# KiCad board panel.kicad_pcb (continued)
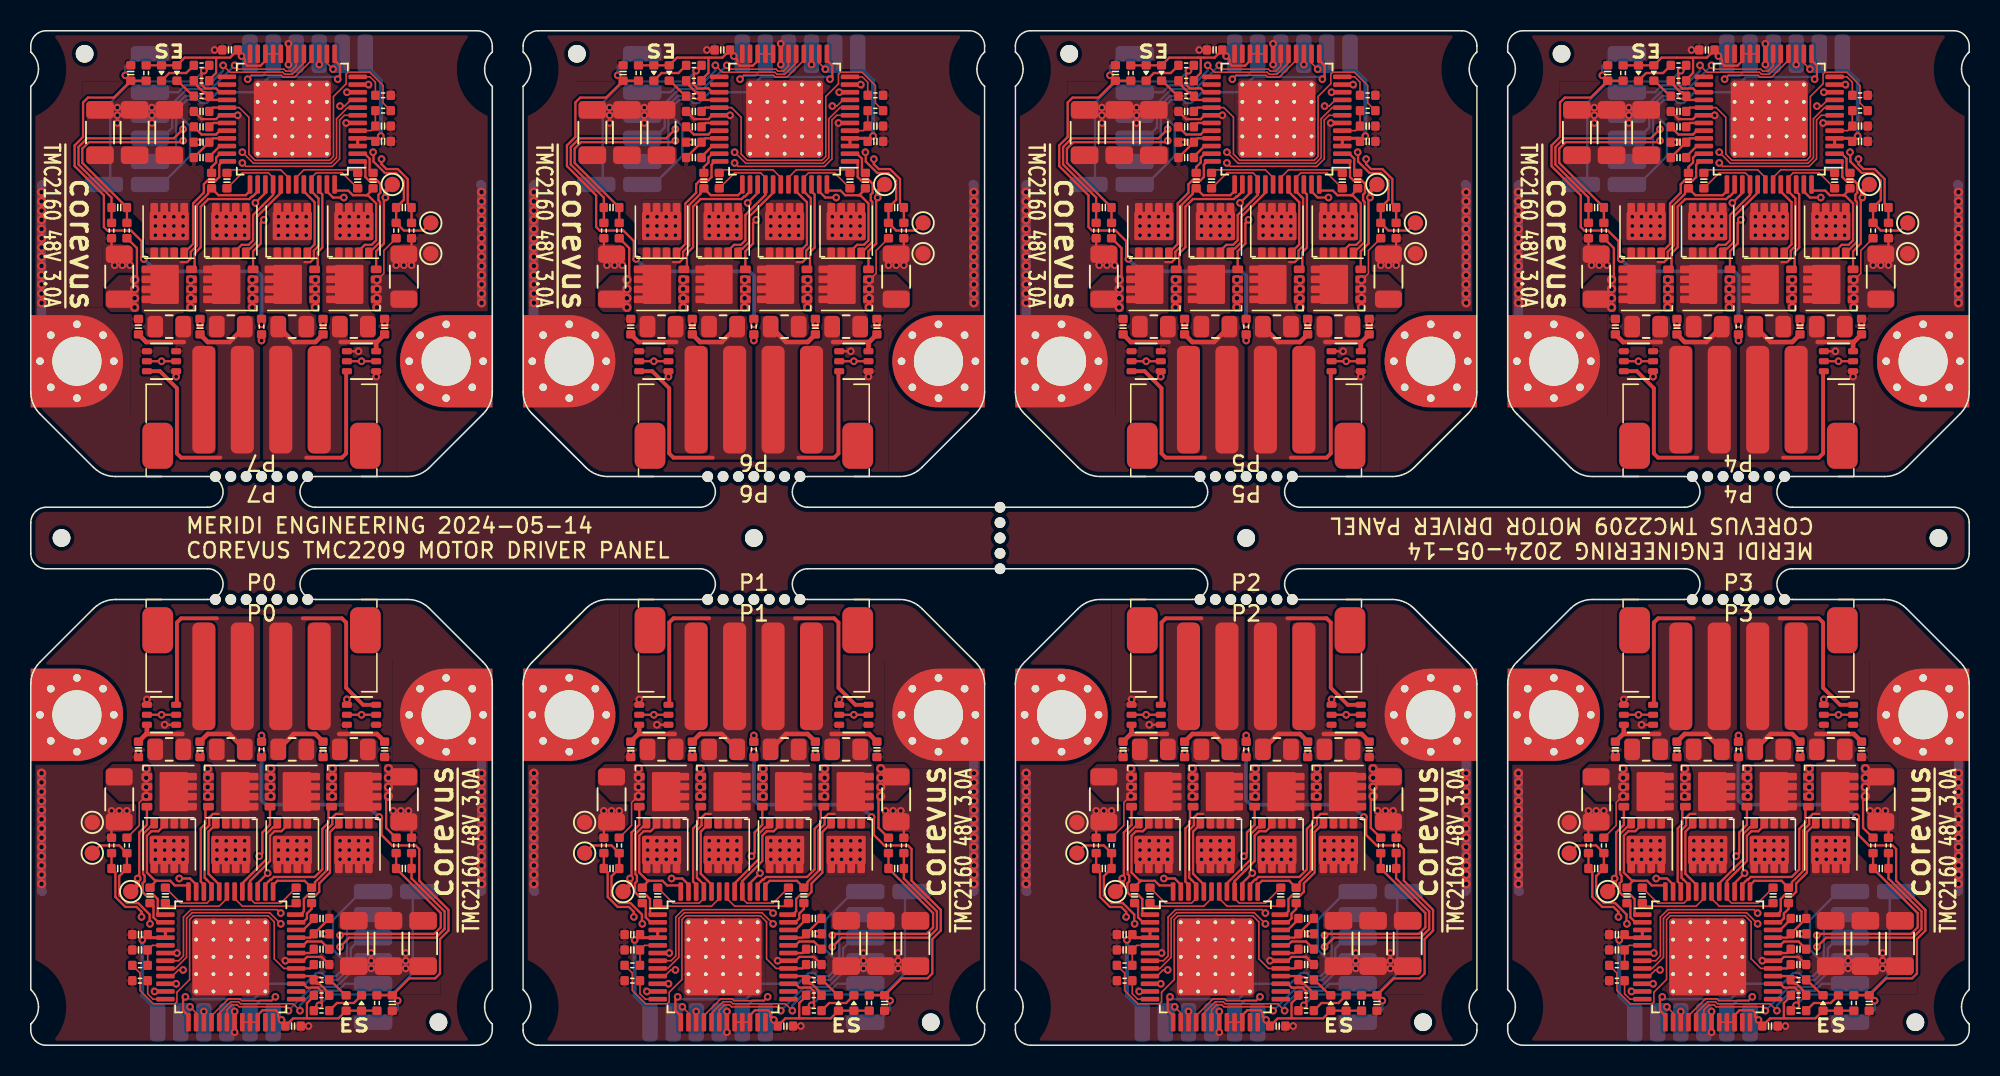
[diagram p0: board, top side]
## Routing (per net, layer and track width the routed paths; a pad name or vN(x,y) marks a point on that pad's centre or on a via; arc(x,y) is an arc through that point) (continued)
Board_7-/SRAH: length 27.9
  Top w0.1: v1(13.75,58.1) 14.47,57.38 19.51,57.38 19.88,57.74 19.88,60.27 20.6,61 U1.8
  Top w0.15: R11#4.2 C21#7.2 3.35,57.4 3.35,58.33 3.77,58.75 9.8,58.75 v1(9.9,58.85)
  In2.Cu w0.15: v1(9.9,58.85) 9.9,58.57 10.37,58.1 v1(13.75,58.1)
Board_7-/SRAL: length 29.5
  Top w0.1: v1(13.75,57.4) 13.97,57.17 19.59,57.17 20.08,57.66 20.08,60.19 20.38,60.5 U1.7
  Top w0.15: v1(9.9,59.6) 9.3,59 3.66,59 3.1,58.44 3.1,57.3 5.25,55.15 C21#7.1 R12.2
  In2.Cu w0.15: v1(13.75,57.4) 13.3,57.85 10.26,57.85 9.45,58.66 9.45,59.15 v1(9.9,59.6)
Board_7-/SRBH: length 14.4
  Top w0.1: v1(20.1,61.1) 20.4,61.1 20.8,61.5 U1.9
  Top w0.15: TP4#6.1 25.5,53 24.25,53 R8#7.2 C20#5.2 24.25,55 24.25,56.25 23.75,56.75 23.02,56.75 22.27,57.49 22.28,58.08 v1(22.25,58.1)
  In2.Cu w0.1: v1(20.1,61.1) 20.87,61.1 20.95,61.02 20.95,59.72 22.25,58.42 v1(22.25,58.1)
Board_7-/SRBL: length 11.4
  Top w0.1: v1(20.55,62) U1.10
  Top w0.15: R9#3.2 C20#5.1 24.5,54.75 24.5,56.35 23.85,57 23.12,57 22.8,57.32 v1(22.8,57.65)
  In2.Cu w0.1: v1(20.55,62) 20.55,61.7 21.15,61.1 21.15,59.8 22.8,58.15 v1(22.8,57.65)
Board_7-/Step: length 12.1
  Top w0.1: U1.17 17.75,63.92 17.01,63.17 16.49,63.18 16.37,63.3 12.95,63.3 v1(12.5,63.75)
  Bottom w0.15: T11#7.1 9.58,62 10.03,62.45 11.55,62.45 12.5,63.4 v1(12.5,63.75)
Board_7-/THERM: length 32.5
  Top w0.15: C13#5.1 5.4,61.65 3.72,61.65 3.4,61.33 3.4,59.09 2.85,58.54 2.85,57.19 4.75,55.29 4.75,53.23 4.98,53 6.52,53 7.2,52.32 7.2,51.3 v1(7.35,51.15) ; C13#5.1 R20#4.1 ; C13#5.1 v1(6.15,63.1)
  Top w0.25: TH1#2.1 v1(15,46.9)
  Bottom w0.15: T9#2.1 7,64.5 6.15,63.65 v1(6.15,63.1)
  Bottom w0.25: v1(7.35,51.15) 8.15,50.35 14.7,50.35 15,50.05 v1(15,46.9)
Board_7-/~{CS}: length 19.8
  Top w0.15: v1(19.95,62.85) 20.1,63 20.1,63.74 19.84,64 19.75,64
  Bottom w0.15: v1(19.95,62.85) 19.8,63 15.49,63 15.25,62.76 15.25,62.36 14.89,62 12.14,62 11.44,61.3 11.06,61.3 10.86,61.5 10.14,61.5 9.7,61.06 9.7,60.44 10.35,59.79 10.35,57.85 8.5,56 T10#3.1
Board_7-/~{En}: length 10.3
  Top w0.15: R2#6.2 10.8,62.55 10.8,62.43 11.23,62 11.35,62 R1#4.2 v1(11.25,61.75) 11.5,61.5 U1.28
  Bottom w0.15: v1(11.25,61.75) 10.04,61.75 9.45,61.16 9.45,58.4 8.55,57.5 T14#3.1
Board_7-GND: length 30.1
  Top w0.1: U1.6 v1(20.5,60) ; C7#8.2 v1(10.95,58.75)
  Top w0.15: D4#3.1 v1(9.45,43.5) ; U1.19 v1(16.75,63.8) ; D3#4.4 v1(21.3,45.15) ; 10.62,60.75 C5#4.1 11.1,60.25 12.04,60.25 12.29,60.5 U1.30 v1(13.45,60.5) ; D3#4.1 v1(22.45,43.5) ; R9#3.1 24.75,51.96 R10#4.2 ; 5.25,52.48 5.25,51.96 R13#6.2 6.25,51.96 ; C3#7.1 v1(11.95,64.75)
  Top w0.2: U1.11 v1(21.95,62.5)
  Top w0.25: TH1#2.2 v1(15,45.85)
  Top w0.3: C17.1 v1(11,46.9) ; C18#3.1 v1(19,46.9) ; C19#2.1 v1(23,46.9)
  Bottom w0.6: H2#8.1 0.7,46.8 v2(0.7,48.3) v2(0.7,54.9) v2(0.7,55.5) 0.7,55.95 0.75,56 ; v2(29.3,48.3) v2(29.3,54.9) v2(29.3,55.5) 29.3,55.95 29.25,56
  vias: v1(5.45,50.75) v1(5.62,61) v1(5.62,60.5) v1(5.62,60) v1(5.95,50.75) v1(6.45,50.75) v1(7.88,61) v1(7.88,60.5) v1(7.88,60) v1(16.75,65.15) v1(23.75,50.75) v1(24.25,50.75) v1(24.75,50.75) v2(0.7,54.3) v2(0.7,53.7) v2(0.7,53.1) v2(0.7,52.5) v2(0.7,51.9) v2(0.7,51.3) v2(0.7,50.7) v2(0.7,50.1) v2(0.7,49.5) v2(0.7,48.9) v2(29.3,54.3) v2(29.3,53.7) v2(29.3,53.1) v2(29.3,52.5) v2(29.3,51.9) v2(29.3,51.3) v2(29.3,50.7) v2(29.3,50.1) v2(29.3,49.5) v2(29.3,48.9)
Board_7-Net-(D1-K): length 1.5
  Top w0.15: R1#4.1 10.55,61.75 9.55,62.75
Board_7-Net-(D2-K): length 2.5
  Top w0.15: D2#4.1 9,63.25 10.1,63.25 R16#5.1
Board_7-Net-(Q2-S-Pad1): length 3.3
  Top w0.1: R8#7.1 22.95,51.7 22.95,50.22 22.56,49.83 Q2#8.3
  vias: v2(18.5,49.8) v2(18.5,49.2) v2(18.5,48.6) v2(18.5,48) v2(22.5,49.8) v2(22.5,49.2) v2(22.5,48.6) v2(22.5,48)
Board_7-Net-(Q6-S-Pad1): length 3
  Top w0.15: v2(6.75,49.8) 6.9,49.95 6.9,51.86 6.26,52.5
  vias: v2(6.75,49.2) v2(6.75,48.6) v2(6.75,48) v2(10.4,49.8) v2(10.4,49.2) v2(10.4,48.6) v2(10.4,48) v2(14.4,49.8) v2(14.4,49.2) v2(14.4,48.6) v2(14.4,48)
Board_7-Net-(U1-5VOUT): length 2.3
  Top w0.1: R4#5.1 C4.2 22.1,59.5 U1.5
Board_7-Net-(U1-CA1): length 4.7
  Top w0.1: U1.42 16.75,56.45 16.25,56.95 12.95,56.95 C10.1
Board_7-Net-(U1-CA2): length 1.9
  Top w0.15: U1.35 12.3,58 12.05,57.75 12.05,57.43 11.75,57.13 C11#3.1
Board_7-Net-(U1-CB1): length 1.9
  Top w0.15: U1.2 21.7,58 22.03,57.68 22.03,56.98 C8.1
Board_7-Net-(U1-CB2): length 4.7
  Top w0.1: U1.43 17.25,56.45 17.75,56.95 21.05,56.95 C9#3.1
Board_7-Net-(U1-CPI): length 2.5
  Top w0.15: U1.32 12.29,59.5 12.04,59.25 11.1,59.25 C2.2
Board_7-Net-(U1-CPO): length 1.3
  Top w0.15: C2.1 11.85,60 U1.31
Board_7-Net-(U1-VCC): length 21.4
  Top w0.1: R4#5.2 22.9,61.3 22.9,62.43 22.03,63.3 20.63,63.3 20.5,63.17 20.5,62.55 19.67,61.73 19.67,57.82 19.43,57.58 14.57,57.58 14.17,57.97 14.17,60.38 13.55,61 U1.29
  Top w0.15: U1.29 11.85,61 C5#4.2
Board_7-Net-(U1-VCP): length 1.5
  Top w0.15: C1#2.1 11.6,57.81 12.29,58.5 U1.34
Board_7-VCC: length 12.7
  Top w0.1: U1.22 U1.21 U1.20
  Top w0.15: U1.22 15.25,64.04 14.93,63.73 14.07,63.72 13.92,63.87 13.92,64.12 v1(13.7,64.35) 13.45,64.6 C3#7.2 12.95,64.25 10,64.25 D1#8.2 D2#4.2 R20#4.2 ; 12.05,64.25 12.05,63.26 11.6,62.81 R2#6.1
  Bottom w0.15: T8#4.1 14.1,64.35 v1(13.7,64.35)

## Copper pours and planes (outline as drawn; the poured copper is in the pictures)
(no net) on Top, Bottom, In1.Cu, In2.Cu: 126,37 126,29.01 0,29.01 0,37.01
Board_0-+48V on Top: 22.7,14 22.7,12.55 24.25,11 24.75,11 26.75,9 26.75,7.75 26.5,7.5 20,7.5 20,8.5 18.75,9.75 18.75,10.5 19.5,11.25 19.5,14
Board_0-+48V on Top: 7.7,14 7.7,11 22.3,11 22.3,14
Board_0-+48V on Top: 18.75,9.75 18.75,8.9 20,7.65 20,8.5
Board_0-+48V on Bottom: 0,29 0,10.75 30,10.75 30,29
Board_0-/A1 on Top: 19.2,14.1 19.2,18.3 19,18.5 19,19.75 18.55,20.2 17.05,20.2 16.1,19.25 15.9,19.25 15.9,14.6 16.4,14.1
Board_0-/A1' on Top: 15.1,27.9 15.1,18.55 16.1,18.55 16.1,19.25 17.05,20.2 18.5,20.2 18.5,27.9
Board_0-/A2 on Top: 22.8,14.1 22.8,20.2 20.6,20.2 20.6,18.8 20.4,18.8 19.2,17.6 19.2,15.3 20.4,14.1
Board_0-/A2' on Top: 18,27.5 18,18.55 20.35,18.55 20.6,18.8 20.6,20.35 20.1,20.35 20.1,21.4 20.6,21.4 20.6,27.5
Board_0-/B1 on Top: 11.2,14.1 11.2,18.7 9.9,18.7 9.9,19.25 8.95,20.2 7.6,20.2 7.6,14.9 8.4,14.1
Board_0-/B1' on Top: 11.6,27.5 12,27.1 12,20.9 11,19.9 11,18.55 9.65,18.55 9.4,18.8 9.4,27.5
Board_0-/B2 on Top: 15.2,14.1 15.2,18.45 13.95,18.45 13.95,19.2 12.95,20.2 11.9,20.2 11.35,19.65 11.35,15.15 12.4,14.1
Board_0-/B2' on Top: 14.9,27.9 14.9,18.55 13.9,18.55 13.9,19.25 12.95,20.2 11.5,20.2 11.5,27.9
Board_0-GND on Top: 26.62,6.95 26.62,3.3 20.1,3.3 19.75,3.65 19.75,5.85 20.85,6.95
Board_0-GND on Top: 7,15.3 7,13.87 3.35,13.87 3.35,15.3
Board_0-GND on Top: 25.35,15.3 25.35,13.87 23.1,13.87 23.1,15.3
Board_0-GND on Top: 6.25,29 6.25,20 4.5,18.25 0,18.25 0,29
Board_0-GND on Top: 30,18 30,25 23.5,25 23.5,18
Board_0-GND on Top, Bottom: 10.25,8.5 15.75,8.5 15.75,2.95 10.25,3
Board_0-GND on Top, Bottom: 30,0 30,29 6.25,29 6.25,20 4.5,18.25 0,18.25 0,0
Board_0-GND on In1.Cu, In2.Cu: 30,0 30,29 0,29 0,0
Board_0-Net-(Q2-S-Pad1) on Top: 11.2,15.9 11.9,15.9 11.9,17.65 11.8,18 11.5,18.3 11.2,18.3
Board_0-Net-(Q2-S-Pad1) on Top: 4.85,17.85 4.85,16.75 5.75,15.85 7.9,15.85 7.9,17.7 7.8,18 7.5,18.3 5.3,18.3
Board_0-Net-(Q2-S-Pad1) on Bottom: 11,19.1 11.8,18.3 11.8,15.9 7.5,15.9 7.2,16.2 7.2,19.1
Board_0-Net-(Q6-S-Pad1) on Top: 22.95,15.9 24.3,15.9 25.15,16.75 25.15,17.95 24.8,18.3 22.95,18.3
Board_0-Net-(Q6-S-Pad1) on Top: 15.2,15.9 15.9,15.9 15.9,18 15.6,18.3 15.2,18.3
Board_0-Net-(Q6-S-Pad1) on Top: 19.2,15.9 19.9,15.9 19.9,18.3 19.2,18.3
Board_0-Net-(Q6-S-Pad1) on Bottom: 22.35,19.35 23.55,18.15 23.55,16.2 23.25,15.9 15.3,15.9 15.3,19.35
Board_1-+48V on Top: 39.7,14 39.7,11 54.3,11 54.3,14
Board_1-+48V on Top: 54.7,14 54.7,12.55 56.25,11 56.75,11 58.75,9 58.75,7.75 58.5,7.5 52,7.5 52,8.5 50.75,9.75 50.75,10.5 51.5,11.25 51.5,14
Board_1-+48V on Top: 50.75,9.75 50.75,8.9 52,7.65 52,8.5
Board_1-+48V on Bottom: 32,29 32,10.75 62,10.75 62,29
Board_1-/A1 on Top: 51.2,14.1 51.2,18.3 51,18.5 51,19.75 50.55,20.2 49.05,20.2 48.1,19.25 47.9,19.25 47.9,14.6 48.4,14.1
Board_1-/A1' on Top: 47.1,27.9 47.1,18.55 48.1,18.55 48.1,19.25 49.05,20.2 50.5,20.2 50.5,27.9
Board_1-/A2 on Top: 54.8,14.1 54.8,20.2 52.6,20.2 52.6,18.8 52.4,18.8 51.2,17.6 51.2,15.3 52.4,14.1
Board_1-/A2' on Top: 50,27.5 50,18.55 52.35,18.55 52.6,18.8 52.6,20.35 52.1,20.35 52.1,21.4 52.6,21.4 52.6,27.5
Board_1-/B1 on Top: 43.2,14.1 43.2,18.7 41.9,18.7 41.9,19.25 40.95,20.2 39.6,20.2 39.6,14.9 40.4,14.1
Board_1-/B1' on Top: 43.6,27.5 44,27.1 44,20.9 43,19.9 43,18.55 41.65,18.55 41.4,18.8 41.4,27.5
Board_1-/B2 on Top: 47.2,14.1 47.2,18.45 45.95,18.45 45.95,19.2 44.95,20.2 43.9,20.2 43.35,19.65 43.35,15.15 44.4,14.1
Board_1-/B2' on Top: 46.9,27.9 46.9,18.55 45.9,18.55 45.9,19.25 44.95,20.2 43.5,20.2 43.5,27.9
Board_1-GND on Top: 39,15.3 39,13.87 35.35,13.87 35.35,15.3
Board_1-GND on Top: 38.25,29 38.25,20 36.5,18.25 32,18.25 32,29
Board_1-GND on Top: 62,18 62,25 55.5,25 55.5,18
Board_1-GND on Top: 57.35,15.3 57.35,13.87 55.1,13.87 55.1,15.3
Board_1-GND on Top: 58.62,6.95 58.62,3.3 52.1,3.3 51.75,3.65 51.75,5.85 52.85,6.95
Board_1-GND on Top, Bottom: 62,0 62,29 38.25,29 38.25,20 36.5,18.25 32,18.25 32,0
Board_1-GND on Top, Bottom: 42.25,8.5 47.75,8.5 47.75,2.95 42.25,3
Board_1-GND on In1.Cu, In2.Cu: 62,0 62,29 32,29 32,0
Board_1-Net-(Q2-S-Pad1) on Top: 36.85,17.85 36.85,16.75 37.75,15.85 39.9,15.85 39.9,17.7 39.8,18 39.5,18.3 37.3,18.3
Board_1-Net-(Q2-S-Pad1) on Top: 43.2,15.9 43.9,15.9 43.9,17.65 43.8,18 43.5,18.3 43.2,18.3
Board_1-Net-(Q2-S-Pad1) on Bottom: 43,19.1 43.8,18.3 43.8,15.9 39.5,15.9 39.2,16.2 39.2,19.1
Board_1-Net-(Q6-S-Pad1) on Top: 54.95,15.9 56.3,15.9 57.15,16.75 57.15,17.95 56.8,18.3 54.95,18.3
Board_1-Net-(Q6-S-Pad1) on Top: 47.2,15.9 47.9,15.9 47.9,18 47.6,18.3 47.2,18.3
Board_1-Net-(Q6-S-Pad1) on Top: 51.2,15.9 51.9,15.9 51.9,18.3 51.2,18.3
Board_1-Net-(Q6-S-Pad1) on Bottom: 54.35,19.35 55.55,18.15 55.55,16.2 55.25,15.9 47.3,15.9 47.3,19.35
Board_2-+48V on Top: 86.7,14 86.7,12.55 88.25,11 88.75,11 90.75,9 90.75,7.75 90.5,7.5 84,7.5 84,8.5 82.75,9.75 82.75,10.5 83.5,11.25 83.5,14
Board_2-+48V on Top: 71.7,14 71.7,11 86.3,11 86.3,14
Board_2-+48V on Top: 82.75,9.75 82.75,8.9 84,7.65 84,8.5
Board_2-+48V on Bottom: 64,29 64,10.75 94,10.75 94,29
Board_2-/A1 on Top: 83.2,14.1 83.2,18.3 83,18.5 83,19.75 82.55,20.2 81.05,20.2 80.1,19.25 79.9,19.25 79.9,14.6 80.4,14.1
Board_2-/A1' on Top: 79.1,27.9 79.1,18.55 80.1,18.55 80.1,19.25 81.05,20.2 82.5,20.2 82.5,27.9
Board_2-/A2 on Top: 86.8,14.1 86.8,20.2 84.6,20.2 84.6,18.8 84.4,18.8 83.2,17.6 83.2,15.3 84.4,14.1
Board_2-/A2' on Top: 82,27.5 82,18.55 84.35,18.55 84.6,18.8 84.6,20.35 84.1,20.35 84.1,21.4 84.6,21.4 84.6,27.5
Board_2-/B1 on Top: 75.2,14.1 75.2,18.7 73.9,18.7 73.9,19.25 72.95,20.2 71.6,20.2 71.6,14.9 72.4,14.1
Board_2-/B1' on Top: 75.6,27.5 76,27.1 76,20.9 75,19.9 75,18.55 73.65,18.55 73.4,18.8 73.4,27.5
Board_2-/B2 on Top: 79.2,14.1 79.2,18.45 77.95,18.45 77.95,19.2 76.95,20.2 75.9,20.2 75.35,19.65 75.35,15.15 76.4,14.1
Board_2-/B2' on Top: 78.9,27.9 78.9,18.55 77.9,18.55 77.9,19.25 76.95,20.2 75.5,20.2 75.5,27.9
Board_2-GND on Top: 89.35,15.3 89.35,13.87 87.1,13.87 87.1,15.3
Board_2-GND on Top: 70.25,29 70.25,20 68.5,18.25 64,18.25 64,29
Board_2-GND on Top: 90.62,6.95 90.62,3.3 84.1,3.3 83.75,3.65 83.75,5.85 84.85,6.95
Board_2-GND on Top: 71,15.3 71,13.87 67.35,13.87 67.35,15.3
Board_2-GND on Top: 94,18 94,25 87.5,25 87.5,18
Board_2-GND on Top, Bottom: 74.25,8.5 79.75,8.5 79.75,2.95 74.25,3
Board_2-GND on Top, Bottom: 94,0 94,29 70.25,29 70.25,20 68.5,18.25 64,18.25 64,0
Board_2-GND on In1.Cu, In2.Cu: 94,0 94,29 64,29 64,0
Board_2-Net-(Q2-S-Pad1) on Top: 75.2,15.9 75.9,15.9 75.9,17.65 75.8,18 75.5,18.3 75.2,18.3
Board_2-Net-(Q2-S-Pad1) on Top: 68.85,17.85 68.85,16.75 69.75,15.85 71.9,15.85 71.9,17.7 71.8,18 71.5,18.3 69.3,18.3
Board_2-Net-(Q2-S-Pad1) on Bottom: 75,19.1 75.8,18.3 75.8,15.9 71.5,15.9 71.2,16.2 71.2,19.1
Board_2-Net-(Q6-S-Pad1) on Top: 86.95,15.9 88.3,15.9 89.15,16.75 89.15,17.95 88.8,18.3 86.95,18.3
Board_2-Net-(Q6-S-Pad1) on Top: 79.2,15.9 79.9,15.9 79.9,18 79.6,18.3 79.2,18.3
Board_2-Net-(Q6-S-Pad1) on Top: 83.2,15.9 83.9,15.9 83.9,18.3 83.2,18.3
Board_2-Net-(Q6-S-Pad1) on Bottom: 86.35,19.35 87.55,18.15 87.55,16.2 87.25,15.9 79.3,15.9 79.3,19.35
Board_3-+48V on Top: 118.7,14 118.7,12.55 120.25,11 120.75,11 122.75,9 122.75,7.75 122.5,7.5 116,7.5 116,8.5 114.75,9.75 114.75,10.5 115.5,11.25 115.5,14
Board_3-+48V on Top: 114.75,9.75 114.75,8.9 116,7.65 116,8.5
Board_3-+48V on Top: 103.7,14 103.7,11 118.3,11 118.3,14
Board_3-+48V on Bottom: 96,29 96,10.75 126,10.75 126,29
Board_3-/A1 on Top: 115.2,14.1 115.2,18.3 115,18.5 115,19.75 114.55,20.2 113.05,20.2 112.1,19.25 111.9,19.25 111.9,14.6 112.4,14.1
Board_3-/A1' on Top: 111.1,27.9 111.1,18.55 112.1,18.55 112.1,19.25 113.05,20.2 114.5,20.2 114.5,27.9
Board_3-/A2 on Top: 118.8,14.1 118.8,20.2 116.6,20.2 116.6,18.8 116.4,18.8 115.2,17.6 115.2,15.3 116.4,14.1
Board_3-/A2' on Top: 114,27.5 114,18.55 116.35,18.55 116.6,18.8 116.6,20.35 116.1,20.35 116.1,21.4 116.6,21.4 116.6,27.5
Board_3-/B1 on Top: 107.2,14.1 107.2,18.7 105.9,18.7 105.9,19.25 104.95,20.2 103.6,20.2 103.6,14.9 104.4,14.1
Board_3-/B1' on Top: 107.6,27.5 108,27.1 108,20.9 107,19.9 107,18.55 105.65,18.55 105.4,18.8 105.4,27.5
Board_3-/B2 on Top: 111.2,14.1 111.2,18.45 109.95,18.45 109.95,19.2 108.95,20.2 107.9,20.2 107.35,19.65 107.35,15.15 108.4,14.1
Board_3-/B2' on Top: 110.9,27.9 110.9,18.55 109.9,18.55 109.9,19.25 108.95,20.2 107.5,20.2 107.5,27.9
Board_3-GND on Top: 122.62,6.95 122.62,3.3 116.1,3.3 115.75,3.65 115.75,5.85 116.85,6.95
Board_3-GND on Top: 126,18 126,25 119.5,25 119.5,18
Board_3-GND on Top: 121.35,15.3 121.35,13.87 119.1,13.87 119.1,15.3
Board_3-GND on Top: 103,15.3 103,13.87 99.35,13.87 99.35,15.3
Board_3-GND on Top: 102.25,29 102.25,20 100.5,18.25 96,18.25 96,29
Board_3-GND on Top, Bottom: 106.25,8.5 111.75,8.5 111.75,2.95 106.25,3
Board_3-GND on Top, Bottom: 126,0 126,29 102.25,29 102.25,20 100.5,18.25 96,18.25 96,0
Board_3-GND on In1.Cu, In2.Cu: 126,0 126,29 96,29 96,0
Board_3-Net-(Q2-S-Pad1) on Top: 100.85,17.85 100.85,16.75 101.75,15.85 103.9,15.85 103.9,17.7 103.8,18 103.5,18.3 101.3,18.3
Board_3-Net-(Q2-S-Pad1) on Top: 107.2,15.9 107.9,15.9 107.9,17.65 107.8,18 107.5,18.3 107.2,18.3
Board_3-Net-(Q2-S-Pad1) on Bottom: 107,19.1 107.8,18.3 107.8,15.9 103.5,15.9 103.2,16.2 103.2,19.1
Board_3-Net-(Q6-S-Pad1) on Top: 115.2,15.9 115.9,15.9 115.9,18.3 115.2,18.3
Board_3-Net-(Q6-S-Pad1) on Top: 118.95,15.9 120.3,15.9 121.15,16.75 121.15,17.95 120.8,18.3 118.95,18.3
Board_3-Net-(Q6-S-Pad1) on Top: 111.2,15.9 111.9,15.9 111.9,18 111.6,18.3 111.2,18.3
Board_3-Net-(Q6-S-Pad1) on Bottom: 118.35,19.35 119.55,18.15 119.55,16.2 119.25,15.9 111.3,15.9 111.3,19.35
Board_4-+48V on Top: 118.3,52 118.3,55 103.7,55 103.7,52
Board_4-+48V on Top: 103.3,52 103.3,53.45 101.75,55 101.25,55 99.25,57 99.25,58.25 99.5,58.5 106,58.5 106,57.5 107.25,56.25 107.25,55.5 106.5,54.75 106.5,52
Board_4-+48V on Top: 107.25,56.25 107.25,57.1 106,58.35 106,57.5
Board_4-+48V on Bottom: 126,37 126,55.25 96,55.25 96,37
Board_4-/A1 on Top: 106.8,51.9 106.8,47.7 107,47.5 107,46.25 107.45,45.8 108.95,45.8 109.9,46.75 110.1,46.75 110.1,51.4 109.6,51.9
Board_4-/A1' on Top: 110.9,38.1 110.9,47.45 109.9,47.45 109.9,46.75 108.95,45.8 107.5,45.8 107.5,38.1
Board_4-/A2 on Top: 103.2,51.9 103.2,45.8 105.4,45.8 105.4,47.2 105.6,47.2 106.8,48.4 106.8,50.7 105.6,51.9
Board_4-/A2' on Top: 108,38.5 108,47.45 105.65,47.45 105.4,47.2 105.4,45.65 105.9,45.65 105.9,44.6 105.4,44.6 105.4,38.5
Board_4-/B1 on Top: 114.8,51.9 114.8,47.3 116.1,47.3 116.1,46.75 117.05,45.8 118.4,45.8 118.4,51.1 117.6,51.9
Board_4-/B1' on Top: 114.4,38.5 114,38.9 114,45.1 115,46.1 115,47.45 116.35,47.45 116.6,47.2 116.6,38.5
Board_4-/B2 on Top: 110.8,51.9 110.8,47.55 112.05,47.55 112.05,46.8 113.05,45.8 114.1,45.8 114.65,46.35 114.65,50.85 113.6,51.9
Board_4-/B2' on Top: 111.1,38.1 111.1,47.45 112.1,47.45 112.1,46.75 113.05,45.8 114.5,45.8 114.5,38.1
Board_4-GND on Top: 96,48 96,41 102.5,41 102.5,48
Board_4-GND on Top: 99.38,59.05 99.38,62.7 105.9,62.7 106.25,62.35 106.25,60.15 105.15,59.05
Board_4-GND on Top: 119,50.7 119,52.12 122.65,52.12 122.65,50.7
Board_4-GND on Top: 119.75,37 119.75,46 121.5,47.75 126,47.75 126,37
Board_4-GND on Top: 100.65,50.7 100.65,52.12 102.9,52.12 102.9,50.7
Board_4-GND on Top, Bottom: 96,66 96,37 119.75,37 119.75,46 121.5,47.75 126,47.75 126,66
Board_4-GND on Top, Bottom: 115.75,57.5 110.25,57.5 110.25,63.05 115.75,63
Board_4-GND on In1.Cu, In2.Cu: 96,66 96,37 126,37 126,66
Board_4-Net-(Q2-S-Pad1) on Top: 114.8,50.1 114.1,50.1 114.1,48.35 114.2,48 114.5,47.7 114.8,47.7
Board_4-Net-(Q2-S-Pad1) on Top: 121.15,48.15 121.15,49.25 120.25,50.15 118.1,50.15 118.1,48.3 118.2,48 118.5,47.7 120.7,47.7
Board_4-Net-(Q2-S-Pad1) on Bottom: 115,46.9 114.2,47.7 114.2,50.1 118.5,50.1 118.8,49.8 118.8,46.9
Board_4-Net-(Q6-S-Pad1) on Top: 103.05,50.1 101.7,50.1 100.85,49.25 100.85,48.05 101.2,47.7 103.05,47.7
Board_4-Net-(Q6-S-Pad1) on Top: 110.8,50.1 110.1,50.1 110.1,48 110.4,47.7 110.8,47.7
Board_4-Net-(Q6-S-Pad1) on Top: 106.8,50.1 106.1,50.1 106.1,47.7 106.8,47.7
Board_4-Net-(Q6-S-Pad1) on Bottom: 103.65,46.65 102.45,47.85 102.45,49.8 102.75,50.1 110.7,50.1 110.7,46.65
Board_5-+48V on Top: 75.25,56.25 75.25,57.1 74,58.35 74,57.5
Board_5-+48V on Top: 86.3,52 86.3,55 71.7,55 71.7,52
Board_5-+48V on Top: 71.3,52 71.3,53.45 69.75,55 69.25,55 67.25,57 67.25,58.25 67.5,58.5 74,58.5 74,57.5 75.25,56.25 75.25,55.5 74.5,54.75 74.5,52
Board_5-+48V on Bottom: 94,37 94,55.25 64,55.25 64,37
Board_5-/A1 on Top: 74.8,51.9 74.8,47.7 75,47.5 75,46.25 75.45,45.8 76.95,45.8 77.9,46.75 78.1,46.75 78.1,51.4 77.6,51.9
Board_5-/A1' on Top: 78.9,38.1 78.9,47.45 77.9,47.45 77.9,46.75 76.95,45.8 75.5,45.8 75.5,38.1
Board_5-/A2 on Top: 71.2,51.9 71.2,45.8 73.4,45.8 73.4,47.2 73.6,47.2 74.8,48.4 74.8,50.7 73.6,51.9
Board_5-/A2' on Top: 76,38.5 76,47.45 73.65,47.45 73.4,47.2 73.4,45.65 73.9,45.65 73.9,44.6 73.4,44.6 73.4,38.5
Board_5-/B1 on Top: 82.8,51.9 82.8,47.3 84.1,47.3 84.1,46.75 85.05,45.8 86.4,45.8 86.4,51.1 85.6,51.9
Board_5-/B1' on Top: 82.4,38.5 82,38.9 82,45.1 83,46.1 83,47.45 84.35,47.45 84.6,47.2 84.6,38.5
Board_5-/B2 on Top: 78.8,51.9 78.8,47.55 80.05,47.55 80.05,46.8 81.05,45.8 82.1,45.8 82.65,46.35 82.65,50.85 81.6,51.9
Board_5-/B2' on Top: 79.1,38.1 79.1,47.45 80.1,47.45 80.1,46.75 81.05,45.8 82.5,45.8 82.5,38.1
Board_5-GND on Top: 67.38,59.05 67.38,62.7 73.9,62.7 74.25,62.35 74.25,60.15 73.15,59.05
Board_5-GND on Top: 64,48 64,41 70.5,41 70.5,48
Board_5-GND on Top: 87,50.7 87,52.12 90.65,52.12 90.65,50.7
Board_5-GND on Top: 68.65,50.7 68.65,52.12 70.9,52.12 70.9,50.7
Board_5-GND on Top: 87.75,37 87.75,46 89.5,47.75 94,47.75 94,37
Board_5-GND on Top, Bottom: 64,66 64,37 87.75,37 87.75,46 89.5,47.75 94,47.75 94,66
Board_5-GND on Top, Bottom: 83.75,57.5 78.25,57.5 78.25,63.05 83.75,63
Board_5-GND on In1.Cu, In2.Cu: 64,66 64,37 94,37 94,66
Board_5-Net-(Q2-S-Pad1) on Top: 89.15,48.15 89.15,49.25 88.25,50.15 86.1,50.15 86.1,48.3 86.2,48 86.5,47.7 88.7,47.7
Board_5-Net-(Q2-S-Pad1) on Top: 82.8,50.1 82.1,50.1 82.1,48.35 82.2,48 82.5,47.7 82.8,47.7
Board_5-Net-(Q2-S-Pad1) on Bottom: 83,46.9 82.2,47.7 82.2,50.1 86.5,50.1 86.8,49.8 86.8,46.9
Board_5-Net-(Q6-S-Pad1) on Top: 71.05,50.1 69.7,50.1 68.85,49.25 68.85,48.05 69.2,47.7 71.05,47.7
Board_5-Net-(Q6-S-Pad1) on Top: 78.8,50.1 78.1,50.1 78.1,48 78.4,47.7 78.8,47.7
Board_5-Net-(Q6-S-Pad1) on Top: 74.8,50.1 74.1,50.1 74.1,47.7 74.8,47.7
Board_5-Net-(Q6-S-Pad1) on Bottom: 71.65,46.65 70.45,47.85 70.45,49.8 70.75,50.1 78.7,50.1 78.7,46.65
Board_6-+48V on Top: 54.3,52 54.3,55 39.7,55 39.7,52
Board_6-+48V on Top: 43.25,56.25 43.25,57.1 42,58.35 42,57.5
Board_6-+48V on Top: 39.3,52 39.3,53.45 37.75,55 37.25,55 35.25,57 35.25,58.25 35.5,58.5 42,58.5 42,57.5 43.25,56.25 43.25,55.5 42.5,54.75 42.5,52
Board_6-+48V on Bottom: 62,37 62,55.25 32,55.25 32,37
Board_6-/A1 on Top: 42.8,51.9 42.8,47.7 43,47.5 43,46.25 43.45,45.8 44.95,45.8 45.9,46.75 46.1,46.75 46.1,51.4 45.6,51.9
Board_6-/A1' on Top: 46.9,38.1 46.9,47.45 45.9,47.45 45.9,46.75 44.95,45.8 43.5,45.8 43.5,38.1
Board_6-/A2 on Top: 39.2,51.9 39.2,45.8 41.4,45.8 41.4,47.2 41.6,47.2 42.8,48.4 42.8,50.7 41.6,51.9
Board_6-/A2' on Top: 44,38.5 44,47.45 41.65,47.45 41.4,47.2 41.4,45.65 41.9,45.65 41.9,44.6 41.4,44.6 41.4,38.5
Board_6-/B1 on Top: 50.8,51.9 50.8,47.3 52.1,47.3 52.1,46.75 53.05,45.8 54.4,45.8 54.4,51.1 53.6,51.9
Board_6-/B1' on Top: 50.4,38.5 50,38.9 50,45.1 51,46.1 51,47.45 52.35,47.45 52.6,47.2 52.6,38.5
Board_6-/B2 on Top: 46.8,51.9 46.8,47.55 48.05,47.55 48.05,46.8 49.05,45.8 50.1,45.8 50.65,46.35 50.65,50.85 49.6,51.9
Board_6-/B2' on Top: 47.1,38.1 47.1,47.45 48.1,47.45 48.1,46.75 49.05,45.8 50.5,45.8 50.5,38.1
Board_6-GND on Top: 55,50.7 55,52.12 58.65,52.12 58.65,50.7
Board_6-GND on Top: 55.75,37 55.75,46 57.5,47.75 62,47.75 62,37
Board_6-GND on Top: 36.65,50.7 36.65,52.12 38.9,52.12 38.9,50.7
Board_6-GND on Top: 32,48 32,41 38.5,41 38.5,48
Board_6-GND on Top: 35.38,59.05 35.38,62.7 41.9,62.7 42.25,62.35 42.25,60.15 41.15,59.05
Board_6-GND on Top, Bottom: 51.75,57.5 46.25,57.5 46.25,63.05 51.75,63
Board_6-GND on Top, Bottom: 32,66 32,37 55.75,37 55.75,46 57.5,47.75 62,47.75 62,66
Board_6-GND on In1.Cu, In2.Cu: 32,66 32,37 62,37 62,66
Board_6-Net-(Q2-S-Pad1) on Top: 57.15,48.15 57.15,49.25 56.25,50.15 54.1,50.15 54.1,48.3 54.2,48 54.5,47.7 56.7,47.7
Board_6-Net-(Q2-S-Pad1) on Top: 50.8,50.1 50.1,50.1 50.1,48.35 50.2,48 50.5,47.7 50.8,47.7
Board_6-Net-(Q2-S-Pad1) on Bottom: 51,46.9 50.2,47.7 50.2,50.1 54.5,50.1 54.8,49.8 54.8,46.9
Board_6-Net-(Q6-S-Pad1) on Top: 46.8,50.1 46.1,50.1 46.1,48 46.4,47.7 46.8,47.7
Board_6-Net-(Q6-S-Pad1) on Top: 39.05,50.1 37.7,50.1 36.85,49.25 36.85,48.05 37.2,47.7 39.05,47.7
Board_6-Net-(Q6-S-Pad1) on Top: 42.8,50.1 42.1,50.1 42.1,47.7 42.8,47.7
Board_6-Net-(Q6-S-Pad1) on Bottom: 39.65,46.65 38.45,47.85 38.45,49.8 38.75,50.1 46.7,50.1 46.7,46.65
Board_7-+48V on Top: 22.3,52 22.3,55 7.7,55 7.7,52
Board_7-+48V on Top: 7.3,52 7.3,53.45 5.75,55 5.25,55 3.25,57 3.25,58.25 3.5,58.5 10,58.5 10,57.5 11.25,56.25 11.25,55.5 10.5,54.75 10.5,52
Board_7-+48V on Top: 11.25,56.25 11.25,57.1 10,58.35 10,57.5
Board_7-+48V on Bottom: 30,37 30,55.25 0,55.25 0,37
Board_7-/A1 on Top: 10.8,51.9 10.8,47.7 11,47.5 11,46.25 11.45,45.8 12.95,45.8 13.9,46.75 14.1,46.75 14.1,51.4 13.6,51.9
Board_7-/A1' on Top: 14.9,38.1 14.9,47.45 13.9,47.45 13.9,46.75 12.95,45.8 11.5,45.8 11.5,38.1
Board_7-/A2 on Top: 7.2,51.9 7.2,45.8 9.4,45.8 9.4,47.2 9.6,47.2 10.8,48.4 10.8,50.7 9.6,51.9
Board_7-/A2' on Top: 12,38.5 12,47.45 9.65,47.45 9.4,47.2 9.4,45.65 9.9,45.65 9.9,44.6 9.4,44.6 9.4,38.5
Board_7-/B1 on Top: 18.8,51.9 18.8,47.3 20.1,47.3 20.1,46.75 21.05,45.8 22.4,45.8 22.4,51.1 21.6,51.9
Board_7-/B1' on Top: 18.4,38.5 18,38.9 18,45.1 19,46.1 19,47.45 20.35,47.45 20.6,47.2 20.6,38.5
Board_7-/B2 on Top: 14.8,51.9 14.8,47.55 16.05,47.55 16.05,46.8 17.05,45.8 18.1,45.8 18.65,46.35 18.65,50.85 17.6,51.9
Board_7-/B2' on Top: 15.1,38.1 15.1,47.45 16.1,47.45 16.1,46.75 17.05,45.8 18.5,45.8 18.5,38.1
Board_7-GND on Top: 3.38,59.05 3.38,62.7 9.9,62.7 10.25,62.35 10.25,60.15 9.15,59.05
Board_7-GND on Top: 4.65,50.7 4.65,52.12 6.9,52.12 6.9,50.7
Board_7-GND on Top: 23.75,37 23.75,46 25.5,47.75 30,47.75 30,37
Board_7-GND on Top: 23,50.7 23,52.12 26.65,52.12 26.65,50.7
Board_7-GND on Top: 0,48 0,41 6.5,41 6.5,48
Board_7-GND on Top, Bottom: 0,66 0,37 23.75,37 23.75,46 25.5,47.75 30,47.75 30,66
Board_7-GND on Top, Bottom: 19.75,57.5 14.25,57.5 14.25,63.05 19.75,63
Board_7-GND on In1.Cu, In2.Cu: 0,66 0,37 30,37 30,66
Board_7-Net-(Q2-S-Pad1) on Top: 25.15,48.15 25.15,49.25 24.25,50.15 22.1,50.15 22.1,48.3 22.2,48 22.5,47.7 24.7,47.7
Board_7-Net-(Q2-S-Pad1) on Top: 18.8,50.1 18.1,50.1 18.1,48.35 18.2,48 18.5,47.7 18.8,47.7
Board_7-Net-(Q2-S-Pad1) on Bottom: 19,46.9 18.2,47.7 18.2,50.1 22.5,50.1 22.8,49.8 22.8,46.9
Board_7-Net-(Q6-S-Pad1) on Top: 14.8,50.1 14.1,50.1 14.1,48 14.4,47.7 14.8,47.7
Board_7-Net-(Q6-S-Pad1) on Top: 10.8,50.1 10.1,50.1 10.1,47.7 10.8,47.7
Board_7-Net-(Q6-S-Pad1) on Top: 7.05,50.1 5.7,50.1 4.85,49.25 4.85,48.05 5.2,47.7 7.05,47.7
Board_7-Net-(Q6-S-Pad1) on Bottom: 7.65,46.65 6.45,47.85 6.45,49.8 6.75,50.1 14.7,50.1 14.7,46.65

Small or netless copper shapes (teardrops, artwork), in the pictures only: 8 on Top

## Text on the board
B.Silkscreen: 12V | SCLK | MOSI | GND | MISO | 3V3 | CS | EN | DIR | STEP | THERM | STALL | NOT FOR PRODUCTION USE / MERIDI ENGINEERING MAY 2024 / TMC2160 STEPPER DRIVER MODULE / 3.0A 48V MAX / CV·24·08·19 | A | P0 | P1 | P2 | P3 | JLCJLCJLCJLC | P7 | P6 | P5 | P4
F.Silkscreen: TMC2160 48V 3.0A | E | S | P7 | P6 | P5 | P4 | MERIDI ENGINEERING 2024-05-14 / COREVUS TMC2209 MOTOR DRIVER PANEL | P0 | P1 | P2 | P3 | corevus
